# Altium PCB HIVE_BOARD_PCB ASCII REV Project_PCB_Rev.Project_SCH_Rev.PcbDoc (part 1 of 9) (continued)
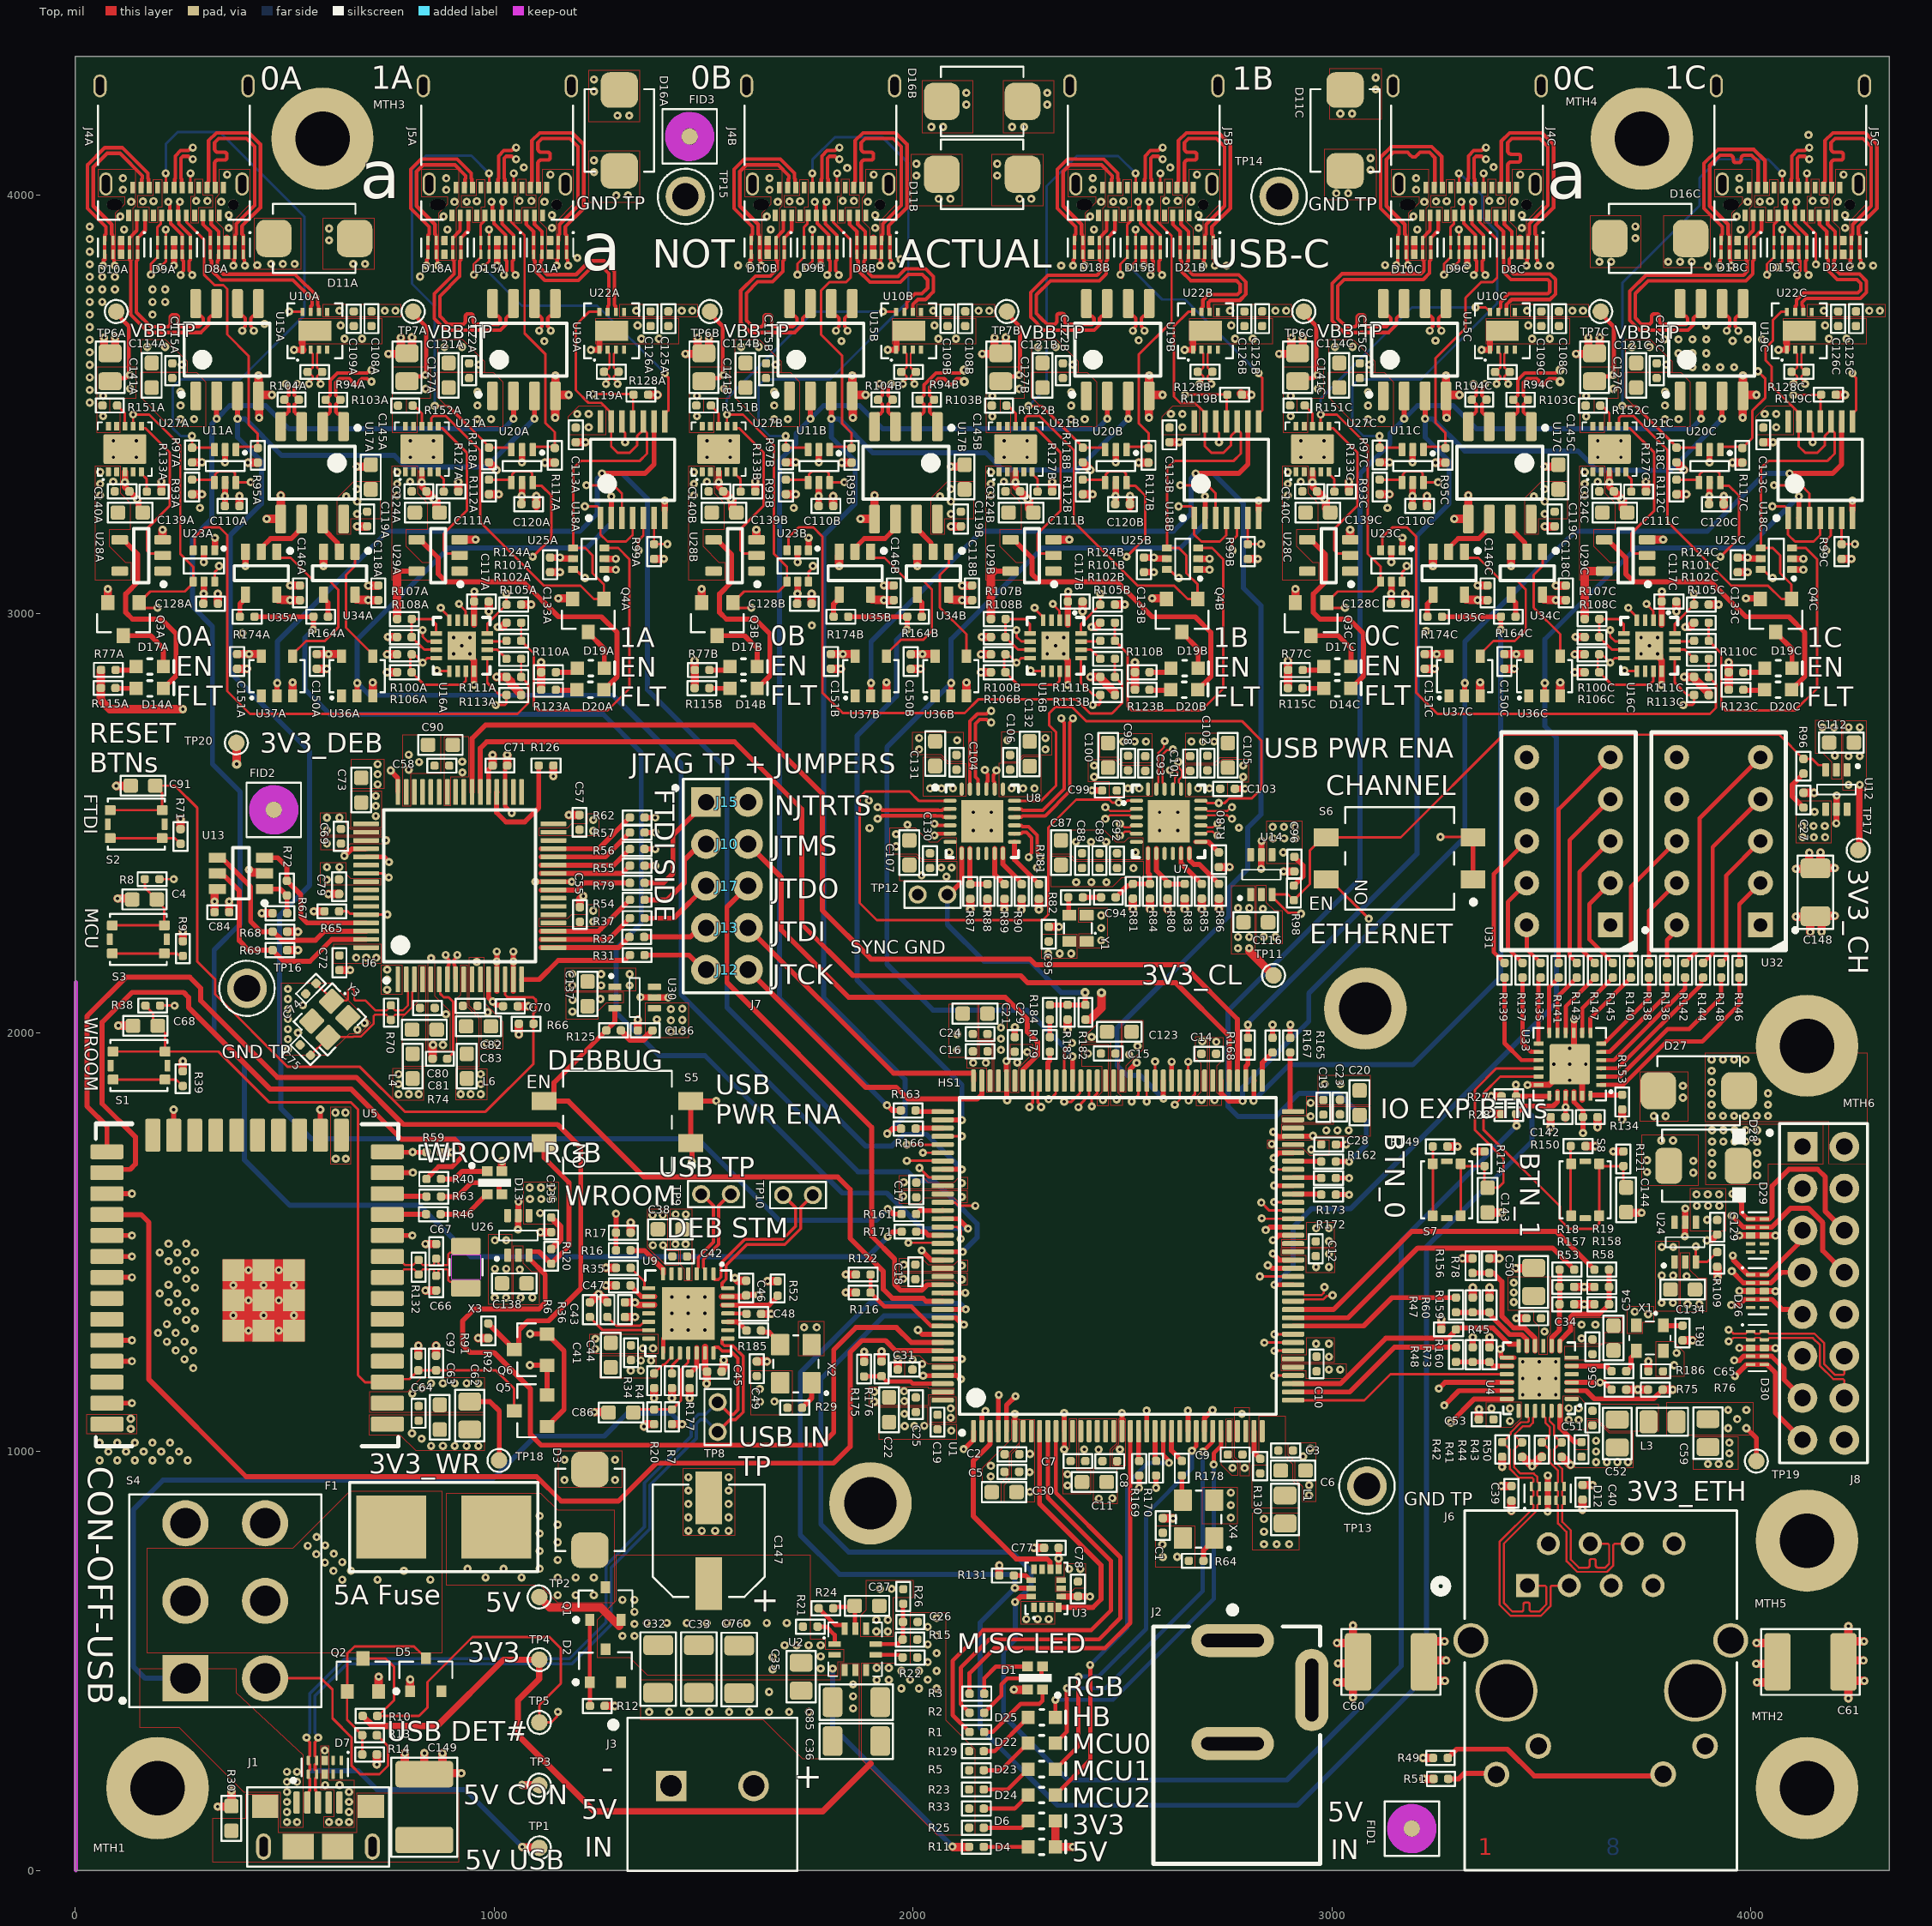
[diagram p0: Top view]
## Design rules (kind name [scope] priority, off if disabled: settings) (continued)
SolderMaskExpansion SolderMaskExpansion_VIA [IsVia] p1: expansion=4 istentingtop=TRUE
SolderMaskExpansion [All] p2: expansion=2.76 istentingtop=FALSE
UnRoutedNet [All] p0: scope1count=1 scope1_0_kind=Board scope1_0_value=Board scope2count=1 scope2_0_kind=Board scope2_0_value=Board commentlength=0
UnRoutedNet [All] p1: checkbadconnections=TRUE
UnpouredPolygon [All] p0: scope1count=1 scope1_0_kind=Board scope1_0_value=Board scope2count=1 scope2_0_kind=Board scope2_0_value=Board commentlength=0
Width Width_50_OHM [All] p0: scope1count=1 scope1_0_kind=NetClass scope1_0_value=SE_50 scope2count=1 scope2_0_kind=Board scope2_0_value=Board commentlength=0 maxlimit=12 minlimit=6 preferedwidth=12
Width [All] p0: scope1count=1 scope1_0_kind=Board scope1_0_value=Board scope2count=1 scope2_0_kind=Board scope2_0_value=Board commentlength=0 maxlimit=100 minlimit=4 preferedwidth=12
Width Width_50_OHM [InNetClass('SE_50')] p1: maxlimit=12 minlimit=6 preferedwidth=12 toplayer_minwidth=12 midlayer1_maxwidth=6 midlayer1_prefwidth=6 midlayer2_maxwidth=6 midlayer2_prefwidth=6 bottomlayer_minwidth=12 minimp=50.000000 maximp=50.000000 favimp=50.000000
Width [All] p2: maxlimit=100 minlimit=4 preferedwidth=12 midlayer1_prefwidth=6 midlayer2_prefwidth=6 minimp=50.000000 maximp=50.000000 favimp=50.000000
19 further rules are at their usual default settings.

## Classes and differential pairs
net class CLK_CHAN: BB_CLK_0A_N BB_CLK_0A_P BB_CLK_0B_N BB_CLK_0B_P BB_CLK_0C_N BB_CLK_0C_P BB_CLK_1A_N BB_CLK_1A_P BB_CLK_1B_N BB_CLK_1B_P BB_CLK_1C_N BB_CLK_1C_P
net class SYNC_FAN: SYNC_0A_N SYNC_0A_P SYNC_0B_N SYNC_0B_P SYNC_0C_N SYNC_0C_P SYNC_1A_N SYNC_1A_P SYNC_1B_N SYNC_1B_P SYNC_1C_N SYNC_1C_P
net class SE_50: FTDI_EECLK FTDI_EECS FTDI_EEDATA I2C_MISC_SCL I2C_MISC_SDA IMU_INT1 IMU_INT2 IO_EXP_INT# MEZ_I2C_SCL MEZ_I2C_SDA MEZ_SPI_MISO MEZ_SPI_MOSI MEZ_SPI_SCK MEZ_UART_Rx MEZ_UART_Tx MODE0 MODE1 MODE2 NetC94_1 NetC94_2 NetR18_2 NetR19_2 NetR45_1 NetR47_2 NetR48_2 NetR165_1 NetR167_1 NetR169_1 NetR170_1 NetR178_1 NetR178_2 NetR179_1 NetR179_2 NetR182_1 NetR185_1 NetR185_2 NetR186_1 NetR186_2 NetU1_1 NetU1_22 NetU1_29 NetU1_67 NetU1_136 NetU1_138 NetU1_139 NetU5_34 NetU5_35 PHY_REFCLK SPI_CLK_A SPI_CLK_B SPI_CLK_C SPI_MISO_0A SPI_MISO_0B SPI_MISO_0C SPI_MISO_1A SPI_MISO_1B SPI_MISO_1C SPI_MISO_A SPI_MISO_B SPI_MISO_C SPI_MOSI_A SPI_MOSI_B SPI_MOSI_C SPI_nCS_0A SPI_nCS_0B SPI_nCS_0C SPI_nCS_1A SPI_nCS_1B SPI_nCS_1C
net class POWER: 3V3 3V3_CH 3V3_CL 3V3_DEB 3V3_ETH 3V3_WR 5V 5V_CONN 5V_USB GND NetD3_1 NetF1_1
net class POW_MCU: 3V3 VCAP VDDA VDDLDO
net class NETS_MCU: 3V3 5V CH_CL_PWR_EN CHAN_DET_0A CHAN_DET_0B CHAN_DET_0C CHAN_DET_1A CHAN_DET_1B CHAN_DET_1C CHAN_EN_0A CHAN_EN_0B CHAN_EN_0C CHAN_EN_1A CHAN_EN_1B CHAN_EN_1C CHAN_IRQ_0A CHAN_IRQ_0B CHAN_IRQ_0C CHAN_IRQ_1A CHAN_IRQ_1B CHAN_IRQ_1C CHAN_RESET_0A CHAN_RESET_0B CHAN_RESET_0C CHAN_RESET_1A CHAN_RESET_1B CHAN_RESET_1C CLK_OE_0# CLK_OE_1# DEB_PWR_EN ETH_PWR_EN GND I2C_MISC_SCL I2C_MISC_SDA IMU_INT1 IMU_INT2 IO_EXP_INT# MCU_LED_0 MCU_LED_1 MCU_LED_2 MCU_LED_B MCU_LED_G MCU_LED_HB MCU_LED_R MCU_OSC_EN MCU_RST# MEZ_ADC1_N MEZ_ADC1_P MEZ_I2C_SCL MEZ_I2C_SDA MEZ_SPI_MISO MEZ_SPI_MOSI MEZ_SPI_SCK MEZ_UART_Rx MEZ_UART_Tx NetC4_1 NetD1_1 NetD1_2 NetD1_4 NetD22_A NetD23_A NetD24_A NetD25_A NetJ7_2 NetJ7_4 NetJ7_6 NetJ7_8 NetJ7_10 NetR9_2 NetR16_2 NetR18_2 NetR19_2 NetR38_2 NetR45_1 NetR47_2 NetR48_2 NetR65_1 NetR116_2 NetR130_2 NetR161_2 NetR162_2 NetR163_1 NetR165_1 NetR165_2 NetR166_1 NetR167_1 NetR167_2 NetR168_2 NetR169_1 NetR169_2 NetR170_1 NetR170_2 NetR171_1 NetR172_1 NetR173_1 NetR175_1 NetR178_1 NetR178_2 NetR179_2 NetU1_1 NetU1_15 NetU1_22 NetU1_26 NetU1_29 NetU1_67 NetU1_76 NetU1_77 NetU1_136 NetU1_138 NetU1_139 PHY_nRST SPI_CLK_A SPI_CLK_B SPI_CLK_C SPI_MISO_A SPI_MISO_B SPI_MISO_C SPI_MOSI_A SPI_MOSI_B SPI_MOSI_C SPI_nCS_0A SPI_nCS_0B SPI_nCS_0C SPI_nCS_1A SPI_nCS_1B SPI_nCS_1C USB_PWR_DET# USB_STM_D_N USB_STM_D_P VCAP VDDA VDDLDO WR_PWR_EN
net class DIFF_90: USB_DEBUG_N USB_DEBUG_P
net class CLK_FAN: CLK_0A_N CLK_0A_P CLK_0B_N CLK_0B_P CLK_0C_N CLK_0C_P CLK_1A_N CLK_1A_P CLK_1B_N CLK_1B_P CLK_1C_N CLK_1C_P
net class CHAN_SIGNALS: CLK_0A_N CLK_0A_P CLK_0B_N CLK_0B_P CLK_0C_N CLK_0C_P CLK_1A_N CLK_1A_P CLK_1B_N CLK_1B_P CLK_1C_N CLK_1C_P SPI_CLK_A SPI_CLK_B SPI_CLK_C SPI_MISO_A SPI_MISO_B SPI_MISO_C SPI_MOSI_A SPI_MOSI_B SPI_MOSI_C SPI_nCS_0A SPI_nCS_0B SPI_nCS_0C SPI_nCS_1A SPI_nCS_1B SPI_nCS_1C SYNC_0A_N SYNC_0A_P SYNC_0B_N SYNC_0B_P SYNC_0C_N SYNC_0C_P SYNC_1A_N SYNC_1A_P SYNC_1B_N SYNC_1B_P SYNC_1C_N SYNC_1C_P
net class CHAN_A: CLK_0A_N CLK_0A_P CLK_0B_N CLK_0B_P CLK_0C_N CLK_0C_P CLK_1A_N CLK_1A_P CLK_1B_N CLK_1B_P CLK_1C_N CLK_1C_P SPI_CLK_A SPI_CLK_B SPI_CLK_C SPI_MISO_A SPI_MISO_B SPI_MISO_C SPI_MOSI_A SPI_MOSI_B SPI_MOSI_C SPI_nCS_0A SPI_nCS_0B SPI_nCS_0C SPI_nCS_1A SPI_nCS_1B SPI_nCS_1C SYNC_0A_N SYNC_0A_P SYNC_0B_N SYNC_0B_P SYNC_0C_N SYNC_0C_P SYNC_1A_N SYNC_1A_P SYNC_1B_N SYNC_1B_P SYNC_1C_N SYNC_1C_P
component class CHAN_1A: C111A C120A C121A C122A C124A C125A C126A C127A C133A D19A D20A Q4A R110A R112A R117A R118A R123A R127A R128A TP7A U19A U20A U21A U22A U25A U29A
component class CHAN_0A: C108A C109A C110A C114A C115A C128A C139A C140A C141A D14A D17A Q3A R77A R93A R94A R95A R97A R115A R133A TP6A U10A U11A U15A U23A U27A U28A
component class "CHAN 0B + 1B": C108B C109B C110B C111B C113B C114B C115B C117B C118B C119B C120B C121B C122B C124B C125B C126B C127B C128B C133B C139B C140B C141B C145B C146B C150B C151B D8B D9B D10B D11B D14B D15B D16B D17B D18B D19B D20B D21B J4B J5B Q3B Q4B R77B R93B R94B R95B R97B R99B R100B R101B R102B R103B R104B R105B R106B R107B R108B R110B R111B R112B R113B R115B R117B R118B R119B R123B R124B R127B R128B R133B R151B R152B R164B R174B TP6B TP7B U10B U11B U15B U16B U17B U18B U19B U20B U21B U22B U23B U25B U27B U28B U29B U34B U35B U36B U37B
channel class HIVE_BOARD_CHANNEL_HW: "CHAN 0A + 1A" "CHAN 0B + 1B" "CHAN 0C + 1C"
component class WIRELESS: C62 C63 C64 C66 C67 C68 C97 D13 Q5 Q6 R38 R39 R40 R46 R59 R63 R91 R92 R132 S1 U5 X3
component class USB: C38 C41 C42 C43 C44 C45 C46 C47 C48 C49 C86 R4 R6 R7 R16 R17 R20 R29 R34 R35 R36 R52 R177 R185 TP8 TP9 TP10 U9 X2
component class TOP: C149 D7 J1 J2 J3 R30
component class POWER: C26 C27 C32 C33 C35 C36 C37 C76 C85 C96 C112 C116 C129 C134 C135 C136 C137 C138 C147 D2 D3 D4 D5 D6 F1 Q1 Q2 R10 R11 R12 R13 R14 R15 R21 R22 R24 R25 R26 R96 R98 R109 R120 R125 S4 S5 S6 TP1 TP2 TP3 TP4 TP5 TP11 TP13 TP14 TP15 TP16 TP17 TP18 TP19 TP20 U2 U12 U14 U24 U26 U30
component class MISC: C77 C78 C142 C143 C144 C148 R27 R28 R114 R121 R131 R134 R135 R136 R137 R138 R139 R140 R141 R142 R143 R144 R145 R146 R147 R148 R149 R150 R153 S7 S8 U3 U31 U32 U33
component class MCU: C1 C2 C3 C4 C5 C6 C7 C8 C9 C10 C11 C12 C13 C14 C15 C16 C17 C18 C19 C20 C21 C22 C23 C24 C25 C28 C29 C30 C31 C123 D1 D22 D23 D24 D25 D26 D27 D28 D29 D30 HS1 J8 L1 MTH5 MTH6 R1 R2 R3 R5 R8 R9 R23 R33 R64 R116 R122 R129 R130 R161 R162 R163 R165 R166 R167 R168 R169 R170 R171 R172 R173 R175 R176 R178 S3 U1 X4
component class HIVE_BOARD_TITLE: FID1 FID2 FID3 MTH1 MTH2 MTH3 MTH4
component class ETHERNET: C34 C39 C40 C50 C51 C52 C53 C54 C56 C59 C60 C61 C65 D12 J6 J11 L3 R18 R19 R41 R42 R43 R44 R45 R47 R48 R49 R50 R51 R53 R58 R60 R61 R73 R75 R76 R78 R156 R157 R158 R159 R160 R186 U4 X1
component class DEBUG: C55 C57 C58 C69 C70 C71 C72 C73 C74 C75 C79 C80 C81 C82 C83 C84 C90 C91 J7 J10 J12 J13 J15 J17 L4 L6 R31 R32 R37 R54 R55 R56 R57 R62 R65 R66 R67 R68 R69 R70 R71 R72 R74 R79 R126 S2 U6 U13 Y3
component class "CLOCK GENERATION": C87 C88 C89 C92 C93 C94 C95 C98 C99 C100 C101 C102 C103 C104 C105 C106 C107 C130 C131 C132 R80 R81 R82 R83 R84 R85 R86 R87 R88 R89 R90 R179 R180 R181 R182 R183 R184 TP12 U7 U8 Y1
component class "CHAN 0C + 1C": C108C C109C C110C C111C C113C C114C C115C C117C C118C C119C C120C C121C C122C C124C C125C C126C C127C C128C C133C C139C C140C C141C C145C C146C C150C C151C D8C D9C D10C D11C D14C D15C D16C D17C D18C D19C D20C D21C J4C J5C Q3C Q4C R77C R93C R94C R95C R97C R99C R100C R101C R102C R103C R104C R105C R106C R107C R108C R110C R111C R112C R113C R115C R117C R118C R119C R123C R124C R127C R128C R133C R151C R152C R164C R174C TP6C TP7C U10C U11C U15C U16C U17C U18C U19C U20C U21C U22C U23C U25C U27C U28C U29C U34C U35C U36C U37C
component class "CHAN 0A + 1A": C108A C109A C110A C111A C113A C114A C115A C117A C118A C119A C120A C121A C122A C124A C125A C126A C127A C128A C133A C139A C140A C141A C145A C146A C150A C151A D8A D9A D10A D11A D14A D15A D16A D17A D18A D19A D20A D21A J4A J5A Q3A Q4A R77A R93A R94A R95A R97A R99A R100A R101A R102A R103A R104A R105A R106A R107A R108A R110A R111A R112A R113A R115A R117A R118A R119A R123A R124A R127A R128A R133A R151A R152A R164A R174A TP6A TP7A U10A U11A U15A U16A U17A U18A U19A U20A U21A U22A U23A U25A U27A U28A U29A U34A U35A U36A U37A
differential pair 12M_X: +12M_X_P -12M_X_N
differential pair MEZ_ADC1: +MEZ_ADC1_P -MEZ_ADC1_N
differential pair USB_STM_D: +USB_STM_D_P -USB_STM_D_N
differential pair USB_D: +USB_D_P -USB_D_N
differential pair USB_DEBUG: +USB_DEBUG_P -USB_DEBUG_N
differential pair SYNC_1C: +SYNC_1C_P -SYNC_1C_N
differential pair SYNC_1B: +SYNC_1B_P -SYNC_1B_N
differential pair SYNC_1A: +SYNC_1A_P -SYNC_1A_N
differential pair SYNC_0C: +SYNC_0C_P -SYNC_0C_N
differential pair SYNC_0B: +SYNC_0B_P -SYNC_0B_N
differential pair SYNC_0A: +SYNC_0A_P -SYNC_0A_N
differential pair ETH_TX: +ETH_TX_P -ETH_TX_N
differential pair ETH_RX: +ETH_RX_P -ETH_RX_N
differential pair CLK_1C: +CLK_1C_P -CLK_1C_N
differential pair CLK_1B: +CLK_1B_P -CLK_1B_N
differential pair CLK_1A: +CLK_1A_P -CLK_1A_N
differential pair CLK_0C: +CLK_0C_P -CLK_0C_N
differential pair CLK_0B: +CLK_0B_P -CLK_0B_N
differential pair CLK_0A: +CLK_0A_P -CLK_0A_N
differential pair BB_SPI_MOSI_1C: +BB_SPI_MOSI_1B_P -BB_SPI_MOSI_1B_N
differential pair BB_SPI_MOSI_1B: +BB_SPI_MOSI_1C_P -BB_SPI_MOSI_1C_N
differential pair BB_SPI_MOSI_1A: +BB_SPI_MOSI_1A_P -BB_SPI_MOSI_1A_N
differential pair BB_SPI_MOSI_0C: +BB_SPI_MOSI_0B_P -BB_SPI_MOSI_0B_N
differential pair BB_SPI_MOSI_0B: +BB_SPI_MOSI_0C_P -BB_SPI_MOSI_0C_N
differential pair BB_SPI_MOSI_0A: +BB_SPI_MOSI_0A_P -BB_SPI_MOSI_0A_N
differential pair BB_SPI_MISO_1C: +BB_SPI_MISO_1B_P -BB_SPI_MISO_1B_N
differential pair BB_SPI_MISO_1B: +BB_SPI_MISO_1C_P -BB_SPI_MISO_1C_N
differential pair BB_SPI_MISO_1A: +BB_SPI_MISO_1A_P -BB_SPI_MISO_1A_N
differential pair BB_SPI_MISO_0C: +BB_SPI_MISO_0B_P -BB_SPI_MISO_0B_N
differential pair BB_SPI_MISO_0B: +BB_SPI_MISO_0C_P -BB_SPI_MISO_0C_N
differential pair BB_SPI_MISO_0A: +BB_SPI_MISO_0A_P -BB_SPI_MISO_0A_N
differential pair BB_SPI_CLK_1C: +BB_SPI_CLK_1B_P -BB_SPI_CLK_1B_N
differential pair BB_SPI_CLK_1B: +BB_SPI_CLK_1C_P -BB_SPI_CLK_1C_N
differential pair BB_SPI_CLK_1A: +BB_SPI_CLK_1A_P -BB_SPI_CLK_1A_N
differential pair BB_SPI_CLK_0C: +BB_SPI_CLK_0B_P -BB_SPI_CLK_0B_N
differential pair BB_SPI_CLK_0B: +BB_SPI_CLK_0C_P -BB_SPI_CLK_0C_N
differential pair BB_SPI_CLK_0A: +BB_SPI_CLK_0A_P -BB_SPI_CLK_0A_N
differential pair BB_CLK_1C: +BB_CLK_1B_P -BB_CLK_1B_N
differential pair BB_CLK_1B: +BB_CLK_1C_P -BB_CLK_1C_N
differential pair BB_CLK_1A: +BB_CLK_1A_P -BB_CLK_1A_N
differential pair BB_CLK_0C: +BB_CLK_0B_P -BB_CLK_0B_N
differential pair BB_CLK_0B: +BB_CLK_0C_P -BB_CLK_0C_N
differential pair BB_CLK_0A: +BB_CLK_0A_P -BB_CLK_0A_N
differential pair " ": +32K_X_P -32K_X_N

## Components (designator, comment, footprint, x,y, rotation, side; value= is the part's Value field where it differs from the comment)
C1 "CGA2B3X7R1E104K050BB" CAP_CER_0402 2596.31,823.57 r270 top
C2 "CGA2B3X7R1E104K050BB" CAP_CER_0402 2236.45,993.6 r180 top
C3 "CGA2B3X7R1E104K050BB" CAP_CER_0402 2889.48,1002.67 r180 top
C4 "C0603C105K8PACTU" CAP_CER_0603 165.73,2317.75 r180 top
C5 "CGA2B3X7R1E104K050BB" CAP_CER_0402 2235.95,951.6 r0 top
C6 "C0603C105K8PACTU" CAP_CER_0603 2907.48,954.67 r0 top
C7 "CGA2B3X7R1E104K050BB" CAP_CER_0402 2393.91,977.37 r0 top
C8 "CGA2B3X7R1E104K050BB" CAP_CER_0402 2469.78,977.19 r180 top
C9 "CGA2B3X7R1E104K050BB" CAP_CER_0402 2769,993 r0 top
C10 "CGA2B3X7R1E104K050BB" CAP_CER_0402 2963.39,1209.17 r270 top
C11 "CL10A475MA8NQNC" CAP_CER_0603 2432.92,927.21 r180 top
C12 "CGA2B3X7R1E104K050BB" CAP_CER_0402 2961.42,1484.08 r270 top
C13 "CGA2B3X7R1E104K050BB" CAP_CER_0402 2979.62,1821.75 r90 top
C14 "CGA2B3X7R1E104K050BB" CAP_CER_0402 2705.91,1949.37 r180 top
C15 "CGA2B3X7R1E104K050BB" CAP_CER_0402 2466,1950 r0 top
C16 "CGA2B3X7R1E104K050BB" CAP_CER_0402 2160.6,1955.27 r180 top
C17 "CGA2B3X7R1E104K050BB" CAP_CER_0402 2008.01,1624.47 r90 top
C18 "CGA2B3X7R1E104K050BB" CAP_CER_0402 2005.72,1428.95 r90 top
C19 "CGA2B3X7R1E104K050BB" CAP_CER_0402 2058.65,1070.52 r270 top
C20 "CL10A475MA8NQNC" CAP_CER_0603 3066.07,1832.49 r270 top
C21 "CL10A475MA8NQNC" CAP_CER_0603 2148.33,2045.47 r0 top
C22 "CL10A475MA8NQNC" CAP_CER_0603 1943,1100 r90 top
C23 "CGA2B3X7R1E104K050BB" CAP_CER_0402 3019.31,1822.28 r270 top
C24 "CGA2B3X7R1E104K050BB" CAP_CER_0402 2160.37,1996.65 r0 top
C25 "CGA2B3X7R1E104K050BB" CAP_CER_0402 2006.96,1111.81 r90 top
C26 "CL05C390JB51PNC" CAP_CER_0402 1993.74,593.33 r0 top
C27 "CGA2B3X7R1E104K050BB" CAP_CER_0402 4125.61,2554.92 r90 top
C28 "C1005X5R1V225K050BC" CAP_CER_0402 2992.17,1732.94 r180 top
C29 "C1005X5R1V225K050BC" CAP_CER_0402 2243,1971.78 r270 top
C30 "C0603C105K8PACTU" CAP_CER_0603 2217.68,903.31 r180 top
C31 "C1005X5R1V225K050BC" CAP_CER_0402 1981.25,1195.75 r0 top
C32 "CL31A226KAHNNNE" CAP_CER_1206 1391.88,481.11 r90 top
C33 "CL31A226KAHNNNE" CAP_CER_1206 1488.88,481.11 r90 top
C34 "CGA2B3X7R1E104K050BB" CAP_CER_0402 3481.75,1318.2 r0 top
C35 "LMK212BJ106KG-T" CAP_CER_0805 1733.18,462.89 r90 top
C36 "CL31A226KAHNNNE" CAP_CER_1206 1865,308.95 r0 top
C37 "C0603C105K8PACTU" CAP_CER_0603 1890.26,631.98 r0 top
C38 "C0603C105K8PACTU" CAP_CER_0603 1420.77,1530.6 r180 top
C39 "CGA2B3X7R1E104K050BB" CAP_CER_0402 3428.59,900.16 r90 top
C40 "CGA2B3X7R1E104K050BB" CAP_CER_0402 3598.28,902.91 r90 top
C41 "CL10A475KP8NNNC" CAP_CER_0603 1278.71,1230.34 r90 top
C42 "CGA2B3X7R1E104K050BB" CAP_CER_0402 1443.22,1465.83 r0 top
C43 "CGA2B3X7R1E104K050BB" CAP_CER_0402 1312.47,1338.7 r90 top
C44 "CGA2B3X7R1E104K050BB" CAP_CER_0402 1327.02,1236.06 r90 top
C45 "CGA2B3X7R1E104K050BB" CAP_CER_0402 1525.92,1190.98 r180 top
C46 "CGA2B3X7R1E104K050BB" CAP_CER_0402 1601.82,1390.46 r270 top
C47 "CGA2B3X7R1E104K050BB" CAP_CER_0402 1308.58,1396.59 r0 top
C48 "CGA2B3X7R1E104K050BB" CAP_CER_0402 1620.14,1328.59 r180 top
C49 "CGA2B3X7R1E104K050BB" CAP_CER_0402 1627.33,1197.73 r270 top
C50 "LMK212BJ106KG-T" CAP_CER_0805 3481.76,1404.82 r270 top
C51 "CGA2B3X7R1E104K050BB" CAP_CER_0402 3622,1080 r270 top
C52 "LMK212BJ106KG-T" CAP_CER_0805 3681,1043 r270 top
C53 "CGA2B3X7R1E104K050BB" CAP_CER_0402 3368.3,1076.81 r180 top
C54 "C0603C105K8PACTU" CAP_CER_0603 3672,1271 r270 top
C55 "CGA2B3X7R1E104K050BB" CAP_CER_0402 1205,2282 r90 top
C56 "CC0402KRX7R9BB471" CAP_CER_0402 3622,1250 r270 top
C57 "CGA2B3X7R1E104K050BB" CAP_CER_0402 1204,2502 r90 top
C58 "CGA2B3X7R1E104K050BB" CAP_CER_0402 875.6,2637.31 r180 top
C59 "LMK212BJ106KG-T" CAP_CER_0805 3897.75,1044.27 r90 top
C60 "885342211009" CAP_CER_1812 3141,498 r180 top
C61 "885342211009" CAP_CER_1812 4142.26,498 r0 top
C62 "LMK212BJ106KG-T" CAP_CER_0805 941.98,1085.91 r90 top
C63 "C0603C105K8PACTU" CAP_CER_0603 870.64,1082.05 r270 top
C64 "CGA2B3X7R1E104K050BB" CAP_CER_0402 820.11,1091.27 r90 top
C65 "CGA2B3X7R1E104K050BB" CAP_CER_0402 3772.85,1191.57 r180 top
C66 "CC0402DRNPO9BN8R0" CAP_CER_0402 862.01,1402.03 r90 top
C67 "CC0402DRNPO9BN8R0" CAP_CER_0402 862.01,1478.03 r270 top
C68 "C0603C105K8PACTU" CAP_CER_0603 167.79,2016.32 r180 top
C69 "CGA2B3X7R1E104K050BB" CAP_CER_0402 634.69,2468.75 r270 top
C70 "CGA2B3X7R1E104K050BB" CAP_CER_0402 1039,2063 r0 top
C71 "CGA2B3X7R1E104K050BB" CAP_CER_0402 1014.1,2637.43 r0 top
C72 "CGA2B3X7R1E104K050BB" CAP_CER_0402 631,2166.83 r270 top
C73 "C1608X5R1C335K080AC" CAP_CER_0603 683.22,2578.86 r270 top
C74 "CC0402JRNPO9BN120" CAP_CER_0402 563.01,2104.97 r45 top
C75 "CC0402JRNPO9BN120" CAP_CER_0402 549.63,1958.37 r315 top
C76 "CL31A226KAHNNNE" CAP_CER_1206 1585.28,480.14 r90 top
C77 "CGA2B3X7R1E104K050BB" CAP_CER_0402 2330.3,770.18 r180 top
C78 "CGA2B3X7R1E104K050BB" CAP_CER_0402 2393.91,672.21 r90 top
C79 "CGA2B3X7R1E104K050BB" CAP_CER_0402 630.1,2348.32 r270 top
C80 "CGA2B3X7R1E104K050BB" CAP_CER_0402 841,2059 r0 top
C81 "CL10A475MA8NQNC" CAP_CER_0603 833.72,2007.12 r180 top
C82 "CGA2B3X7R1E104K050BB" CAP_CER_0402 943,2064 r0 top
C83 "CL10A475MA8NQNC" CAP_CER_0603 963,2015 r180 top
C84 "CGA2B3X7R1E104K050BB" CAP_CER_0402 350.45,2287.33 r0 top
C85 "CL31A226KAHNNNE" CAP_CER_1206 1865,402 r0 top
C86 "C0603C105K8PACTU" CAP_CER_0603 1302.95,1093.1 r180 top
C87 "C0603C105K8PACTU" CAP_CER_0603 2353.39,2429.6 r270 top
C88 "GRM155R71E473KA88J" CAP_CER_0402 2403.55,2410.61 r90 top
C89 "GRM155R71E473KA88J" CAP_CER_0402 2445.21,2410.61 r90 top
C90 "C0603C105K8PACTU" CAP_CER_0603 872,2687 r180 top
C91 "C0603C105K8PACTU" CAP_CER_0603 162.08,2589.47 r180 top
C92 "CL05B472KB5VPNC" CAP_CER_0402 2487.1,2410.61 r90 top
C93 "CL05B472KB5VPNC" CAP_CER_0402 2554.54,2642.36 r270 top
C94 "CGA2B3X7R1E104K050BB" CAP_CER_0402 2466.35,2322.95 r180 top
C95 "CGA2B3X7R1E104K050BB" CAP_CER_0402 2324.22,2235.02 r270 top
C96 "CGA2B3X7R1E104K050BB" CAP_CER_0402 2910.34,2402.19 r270 top
C97 "CGA2B3X7R1E104K050BB" CAP_CER_0402 819.38,1211.44 r270 top
C98 "GRM155R71E473KA88J" CAP_CER_0402 2513.33,2643.36 r270 top
C99 "GRM155R71E473KA88J" CAP_CER_0402 2469,2578 r0 top
C100 "C0603C105K8PACTU" CAP_CER_0603 2465.54,2662.05 r90 top
C101 "CL05B472KB5VPNC" CAP_CER_0402 2661.71,2642.36 r270 top
C102 "GRM155R71E473KA88J" CAP_CER_0402 2702.73,2643.36 r270 top
C103 "GRM155R71E473KA88J" CAP_CER_0402 2751,2582 r180 top
C104 "CGA2B3X7R1E104K050BB" CAP_CER_0402 2103.91,2645.29 r270 top
C105 "C0603C105K8PACTU" CAP_CER_0603 2751.77,2662.05 r90 top
C106 "CGA2B3X7R1E104K050BB" CAP_CER_0402 2231.85,2645.29 r270 top
C107 "C0603C105K8PACTU" CAP_CER_0603 1991.42,2429.6 r270 top
C108A "GRM155R71E473KA88J" CAP_CER_0402 707.45,3704.1 r90 top (schematic designator C108)
C108B "GRM155R71E473KA88J" CAP_CER_0402 2124.77,3704.1 r90 top (schematic designator C108)
C108C "GRM155R71E473KA88J" CAP_CER_0402 3542.09,3704.1 r90 top (schematic designator C108)
C109A "CL05B472KB5VPNC" CAP_CER_0402 665.18,3704 r90 top (schematic designator C109)
C109B "CL05B472KB5VPNC" CAP_CER_0402 2082.5,3704 r90 top (schematic designator C109)
C109C "CL05B472KB5VPNC" CAP_CER_0402 3499.82,3704 r90 top (schematic designator C109)
C110A "CGA2B3X7R1E104K050BB" CAP_CER_0402 375,3257 r0 top (schematic designator C110)
C110B "CGA2B3X7R1E104K050BB" CAP_CER_0402 1792.32,3257 r0 top (schematic designator C110)
C110C "CGA2B3X7R1E104K050BB" CAP_CER_0402 3209.65,3257 r0 top (schematic designator C110)
C111A "CL10A475KP8NNNC" CAP_CER_0603 840.46,3241.48 r0 top (schematic designator C111)
C111B "CL10A475KP8NNNC" CAP_CER_0603 2257.78,3241.48 r0 top (schematic designator C111)
C111C "CL10A475KP8NNNC" CAP_CER_0603 3675.1,3241.48 r0 top (schematic designator C111)
C112 "CL10A475KP8NNNC" CAP_CER_0603 4216.26,2692.24 r180 top
C113A "CGA2B3X7R1E104K050BB" CAP_CER_0402 1195.1,3426.72 r90 top (schematic designator C113)
C113B "CGA2B3X7R1E104K050BB" CAP_CER_0402 2612.42,3426.72 r90 top (schematic designator C113)
C113C "CGA2B3X7R1E104K050BB" CAP_CER_0402 4029.74,3426.72 r90 top (schematic designator C113)
C114A "CL10A475KP8NNNC" CAP_CER_0603 183,3569 r90 top (schematic designator C114)
C114B "CL10A475KP8NNNC" CAP_CER_0603 1600.32,3569 r90 top (schematic designator C114)
C114C "CL10A475KP8NNNC" CAP_CER_0603 3017.65,3569 r90 top (schematic designator C114)
C115A "JMK105B7474KVHF" CAP_CER_0402 232,3580 r90 top (schematic designator C115)
C115B "JMK105B7474KVHF" CAP_CER_0402 1649.32,3580 r90 top (schematic designator C115)
C115C "JMK105B7474KVHF" CAP_CER_0402 3066.65,3580 r90 top (schematic designator C115)
C116 "CL10A475KP8NNNC" CAP_CER_0603 2818.19,2263.52 r0 top
C117A "CGA2B3X7R1E104K050BB" CAP_CER_0402 969.95,3029.08 r180 top (schematic designator C117)
C117B "CGA2B3X7R1E104K050BB" CAP_CER_0402 2387.27,3029.08 r180 top (schematic designator C117)
C117C "CGA2B3X7R1E104K050BB" CAP_CER_0402 3804.59,3029.08 r180 top (schematic designator C117)
C118A "JMK105B7474KVHF" CAP_CER_0402 723.82,3049.75 r90 top (schematic designator C118)
C118B "JMK105B7474KVHF" CAP_CER_0402 2141.15,3049.75 r90 top (schematic designator C118)
C118C "JMK105B7474KVHF" CAP_CER_0402 3558.47,3049.75 r90 top (schematic designator C118)
C119A "JMK105B7474KVHF" CAP_CER_0402 697.11,3226.05 r270 top (schematic designator C119)
C119B "JMK105B7474KVHF" CAP_CER_0402 2114.44,3226.05 r270 top (schematic designator C119)
C119C "JMK105B7474KVHF" CAP_CER_0402 3531.76,3226.05 r270 top (schematic designator C119)
C120A "CGA2B3X7R1E104K050BB" CAP_CER_0402 1082.92,3261.51 r0 top (schematic designator C120)
C120B "CGA2B3X7R1E104K050BB" CAP_CER_0402 2500.24,3261.51 r0 top (schematic designator C120)
C120C "CGA2B3X7R1E104K050BB" CAP_CER_0402 3917.56,3261.51 r0 top (schematic designator C120)
C121A "CL10A475KP8NNNC" CAP_CER_0603 891.67,3569 r90 top (schematic designator C121)
C121B "CL10A475KP8NNNC" CAP_CER_0603 2309,3569 r90 top (schematic designator C121)
C121C "CL10A475KP8NNNC" CAP_CER_0603 3726.32,3569 r90 top (schematic designator C121)
C122A "JMK105B7474KVHF" CAP_CER_0402 940.67,3580 r90 top (schematic designator C122)
C122B "JMK105B7474KVHF" CAP_CER_0402 2358,3580 r90 top (schematic designator C122)
C122C "JMK105B7474KVHF" CAP_CER_0402 3775.32,3580 r90 top (schematic designator C122)
C123 "CL10A475MA8NQNC" CAP_CER_0603 2492.5,2002 r0 top
C124A "CGA2B3X7R1E104K050BB" CAP_CER_0402 820.94,3292.02 r180 top (schematic designator C124)
C124B "CGA2B3X7R1E104K050BB" CAP_CER_0402 2238.26,3292.02 r180 top (schematic designator C124)
C124C "CGA2B3X7R1E104K050BB" CAP_CER_0402 3655.59,3292.02 r180 top (schematic designator C124)
C125A "GRM155R71E473KA88J" CAP_CER_0402 1416.11,3704.1 r90 top (schematic designator C125)
C125B "GRM155R71E473KA88J" CAP_CER_0402 2833.43,3704.1 r90 top (schematic designator C125)
C125C "GRM155R71E473KA88J" CAP_CER_0402 4250.75,3704.1 r90 top (schematic designator C125)
C126A "CL05B472KB5VPNC" CAP_CER_0402 1373.84,3704 r90 top (schematic designator C126)
C126B "CL05B472KB5VPNC" CAP_CER_0402 2791.16,3704 r90 top (schematic designator C126)
C126C "CL05B472KB5VPNC" CAP_CER_0402 4208.49,3704 r90 top (schematic designator C126)
C127A "LMK212BJ106KG-T" CAP_CER_0805 792.31,3588.02 r270 top (schematic designator C127)
C127B "LMK212BJ106KG-T" CAP_CER_0805 2209.64,3588.02 r270 top (schematic designator C127)
C127C "LMK212BJ106KG-T" CAP_CER_0805 3626.96,3588.02 r270 top (schematic designator C127)
C128A "CGA2B3X7R1E104K050BB" CAP_CER_0402 323.58,3023.72 r180 top (schematic designator C128)
C128B "CGA2B3X7R1E104K050BB" CAP_CER_0402 1740.9,3023.72 r180 top (schematic designator C128)
C128C "CGA2B3X7R1E104K050BB" CAP_CER_0402 3158.22,3023.72 r180 top (schematic designator C128)
C129 "CGA2B3X7R1E104K050BB" CAP_CER_0402 3919.67,1535.43 r270 top
C130 "CGA2B3X7R1E104K050BB" CAP_CER_0402 2040.62,2410.61 r90 top
C131 "C0603C105K8PACTU" CAP_CER_0603 2053,2666 r90 top
C132 "C0603C105K8PACTU" CAP_CER_0603 2278.65,2665.52 r90 top
C133A "CGA2B3X7R1E104K050BB" CAP_CER_0402 1134.12,3116.59 r90 top (schematic designator C133)
C133B "CGA2B3X7R1E104K050BB" CAP_CER_0402 2551.44,3116.59 r90 top (schematic designator C133)
C133C "CGA2B3X7R1E104K050BB" CAP_CER_0402 3968.76,3116.59 r90 top (schematic designator C133)
C134 "CL10A475KP8NNNC" CAP_CER_0603 3837.36,1386.9 r0 top
C135 "CGA2B3X7R1E104K050BB" CAP_CER_0402 1136.63,1541.2 r270 top
C136 "CGA2B3X7R1E104K050BB" CAP_CER_0402 1360.74,2005.24 r180 top
C137 "CL10A475KP8NNNC" CAP_CER_0603 1223.28,2092.53 r270 top
C138 "CL10A475KP8NNNC" CAP_CER_0603 1048.39,1401.63 r0 top
C139A "CL10A475KP8NNNC" CAP_CER_0603 131.8,3241.48 r0 top (schematic designator C139)
C139B "CL10A475KP8NNNC" CAP_CER_0603 1549.12,3241.48 r0 top (schematic designator C139)
C139C "CL10A475KP8NNNC" CAP_CER_0603 2966.44,3241.48 r0 top (schematic designator C139)
C140A "CGA2B3X7R1E104K050BB" CAP_CER_0402 112.28,3292.02 r180 top (schematic designator C140)
C140B "CGA2B3X7R1E104K050BB" CAP_CER_0402 1529.6,3292.02 r180 top (schematic designator C140)
C140C "CGA2B3X7R1E104K050BB" CAP_CER_0402 2946.92,3292.02 r180 top (schematic designator C140)
C141A "LMK212BJ106KG-T" CAP_CER_0805 83.65,3588.02 r270 top (schematic designator C141)
C141B "LMK212BJ106KG-T" CAP_CER_0805 1500.98,3588.02 r270 top (schematic designator C141)
C141C "LMK212BJ106KG-T" CAP_CER_0805 2918.3,3588.02 r270 top (schematic designator C141)
C142 "CGA2B3X7R1E104K050BB" CAP_CER_0402 3539.72,1798.47 r180 top
C143 "C0603C105K8PACTU" CAP_CER_0603 3371.55,1600.36 r270 top
C144 "C0603C105K8PACTU" CAP_CER_0603 3702.4,1601.04 r270 top
C145A "CL10A475KP8NNNC" CAP_CER_0603 705.98,3326.16 r90 top (schematic designator C145)
C145B "CL10A475KP8NNNC" CAP_CER_0603 2123.31,3326.16 r90 top (schematic designator C145)
C145C "CL10A475KP8NNNC" CAP_CER_0603 3540.63,3326.16 r90 top (schematic designator C145)
C146A "JMK105B7474KVHF" CAP_CER_0402 536.82,3049.75 r90 top (schematic designator C146)
C146B "JMK105B7474KVHF" CAP_CER_0402 1954.15,3049.75 r90 top (schematic designator C146)
C146C "JMK105B7474KVHF" CAP_CER_0402 3371.47,3049.75 r90 top (schematic designator C146)
C147 "APXG160ARA221MF80G" CAP_POLY_APXG160ARA221MF80G 1512.5,787.07 r90 top
C148 "CL31A226KAHNNNE" CAP_CER_1206 4154.16,2335.09 r90 top
C149 "885342211009" CAP_CER_1812 833.73,151.42 r270 top
C150A "CGA2B3X7R1E104K050BB" CAP_CER_0402 577,2886 r270 top (schematic designator C150)
C150B "CGA2B3X7R1E104K050BB" CAP_CER_0402 1994.73,2885.51 r270 top (schematic designator C150)
C150C "CGA2B3X7R1E104K050BB" CAP_CER_0402 3411.65,2886 r270 top (schematic designator C150)
C151A "CGA2B3X7R1E104K050BB" CAP_CER_0402 387,2886 r270 top (schematic designator C151)
C151B "CGA2B3X7R1E104K050BB" CAP_CER_0402 1804.32,2886 r270 top (schematic designator C151)
C151C "CGA2B3X7R1E104K050BB" CAP_CER_0402 3221.65,2886 r270 top (schematic designator C151)
D1 "EAST1616RGBA3" DIO_EAST1616RGBA3 2291.56,459.58 r270 top
D2 "BZX84-B4V3,215" DIO_ZENER_BZX84-B4V3,215 1266,488.87 r90 top
D3 "SMBJ5.0CA" TVS_PWR_SMBJ5.0CA 1229,861 r90 top
D4 "SML-D12P8WT86" LED_SML-D12P8WT86 2307.39,56.51 r180 top
D5 "BZX84-B4V3,215" DIO_ZENER_BZX84-B4V3,215 837.49,467.24 r90 top
D6 "SML-D12P8WT86" LED_SML-D12P8WT86 2307.39,118.35 r180 top
D7 "DT1140-04LP-7" TVS_DATA_DT1140-04LP-7 596.31,246.44 r270 top
D8A "DT1140-04LP-7" TVS_DATA_DT1140-04LP-7 362.2,3874.02 r270 top (schematic designator D8)
D8B "DT1140-04LP-7" TVS_DATA_DT1140-04LP-7 1905.51,3874.02 r270 top (schematic designator D8)
D8C "DT1140-04LP-7" TVS_DATA_DT1140-04LP-7 3448.82,3874.02 r270 top (schematic designator D8)
D9A "DT1140-04LP-7" TVS_DATA_DT1140-04LP-7 236.21,3874.02 r270 top (schematic designator D9)
D9B "DT1140-04LP-7" TVS_DATA_DT1140-04LP-7 1779.53,3874.02 r270 top (schematic designator D9)
D9C "DT1140-04LP-7" TVS_DATA_DT1140-04LP-7 3322.83,3874.02 r270 top (schematic designator D9)
D10A "DT1140-04LP-7" TVS_DATA_DT1140-04LP-7 110.24,3874.02 r270 top (schematic designator D10)
D10B "DT1140-04LP-7" TVS_DATA_DT1140-04LP-7 1653.54,3874.02 r270 top (schematic designator D10)
D10C "DT1140-04LP-7" TVS_DATA_DT1140-04LP-7 3196.85,3874.02 r270 top (schematic designator D10)
D11A "SMBJ5.0CA" TVS_PWR_SMBJ5.0CA 570.87,3895.67 r0 top locked (schematic designator D11)
D11B "SMBJ5.0CA" TVS_PWR_SMBJ5.0CA 2165.25,4048.82 r0 top locked (schematic designator D11)
D11C "SMBJ5.0CA" TVS_PWR_SMBJ5.0CA 3031.5,4153.54 r90 top locked (schematic designator D11)
D12 "DT1140-04LP-7" TVS_DATA_DT1140-04LP-7 3515.26,899.98 r90 top
D13 "EAST1616RGBA3" DIO_EAST1616RGBA3 1001.26,1641.54 r90 top
D14A "SML-D12U8WT86" LED_SML-D12U8WT86 178.35,2821.5 r180 top (schematic designator D14)
D14B "SML-D12U8WT86" LED_SML-D12U8WT86 1595.68,2821.5 r180 top (schematic designator D14)
D14C "SML-D12U8WT86" LED_SML-D12U8WT86 3013,2821.5 r180 top (schematic designator D14)
D15A "DT1140-04LP-7" TVS_DATA_DT1140-04LP-7 1007.87,3874.02 r270 top (schematic designator D15)
D15B "DT1140-04LP-7" TVS_DATA_DT1140-04LP-7 2551.18,3874.02 r270 top (schematic designator D15)
D15C "DT1140-04LP-7" TVS_DATA_DT1140-04LP-7 4094.49,3874.02 r270 top (schematic designator D15)